# KiCad board SparkFun_GNSS_DAN-F10N_panelized.kicad_pcb (continued)
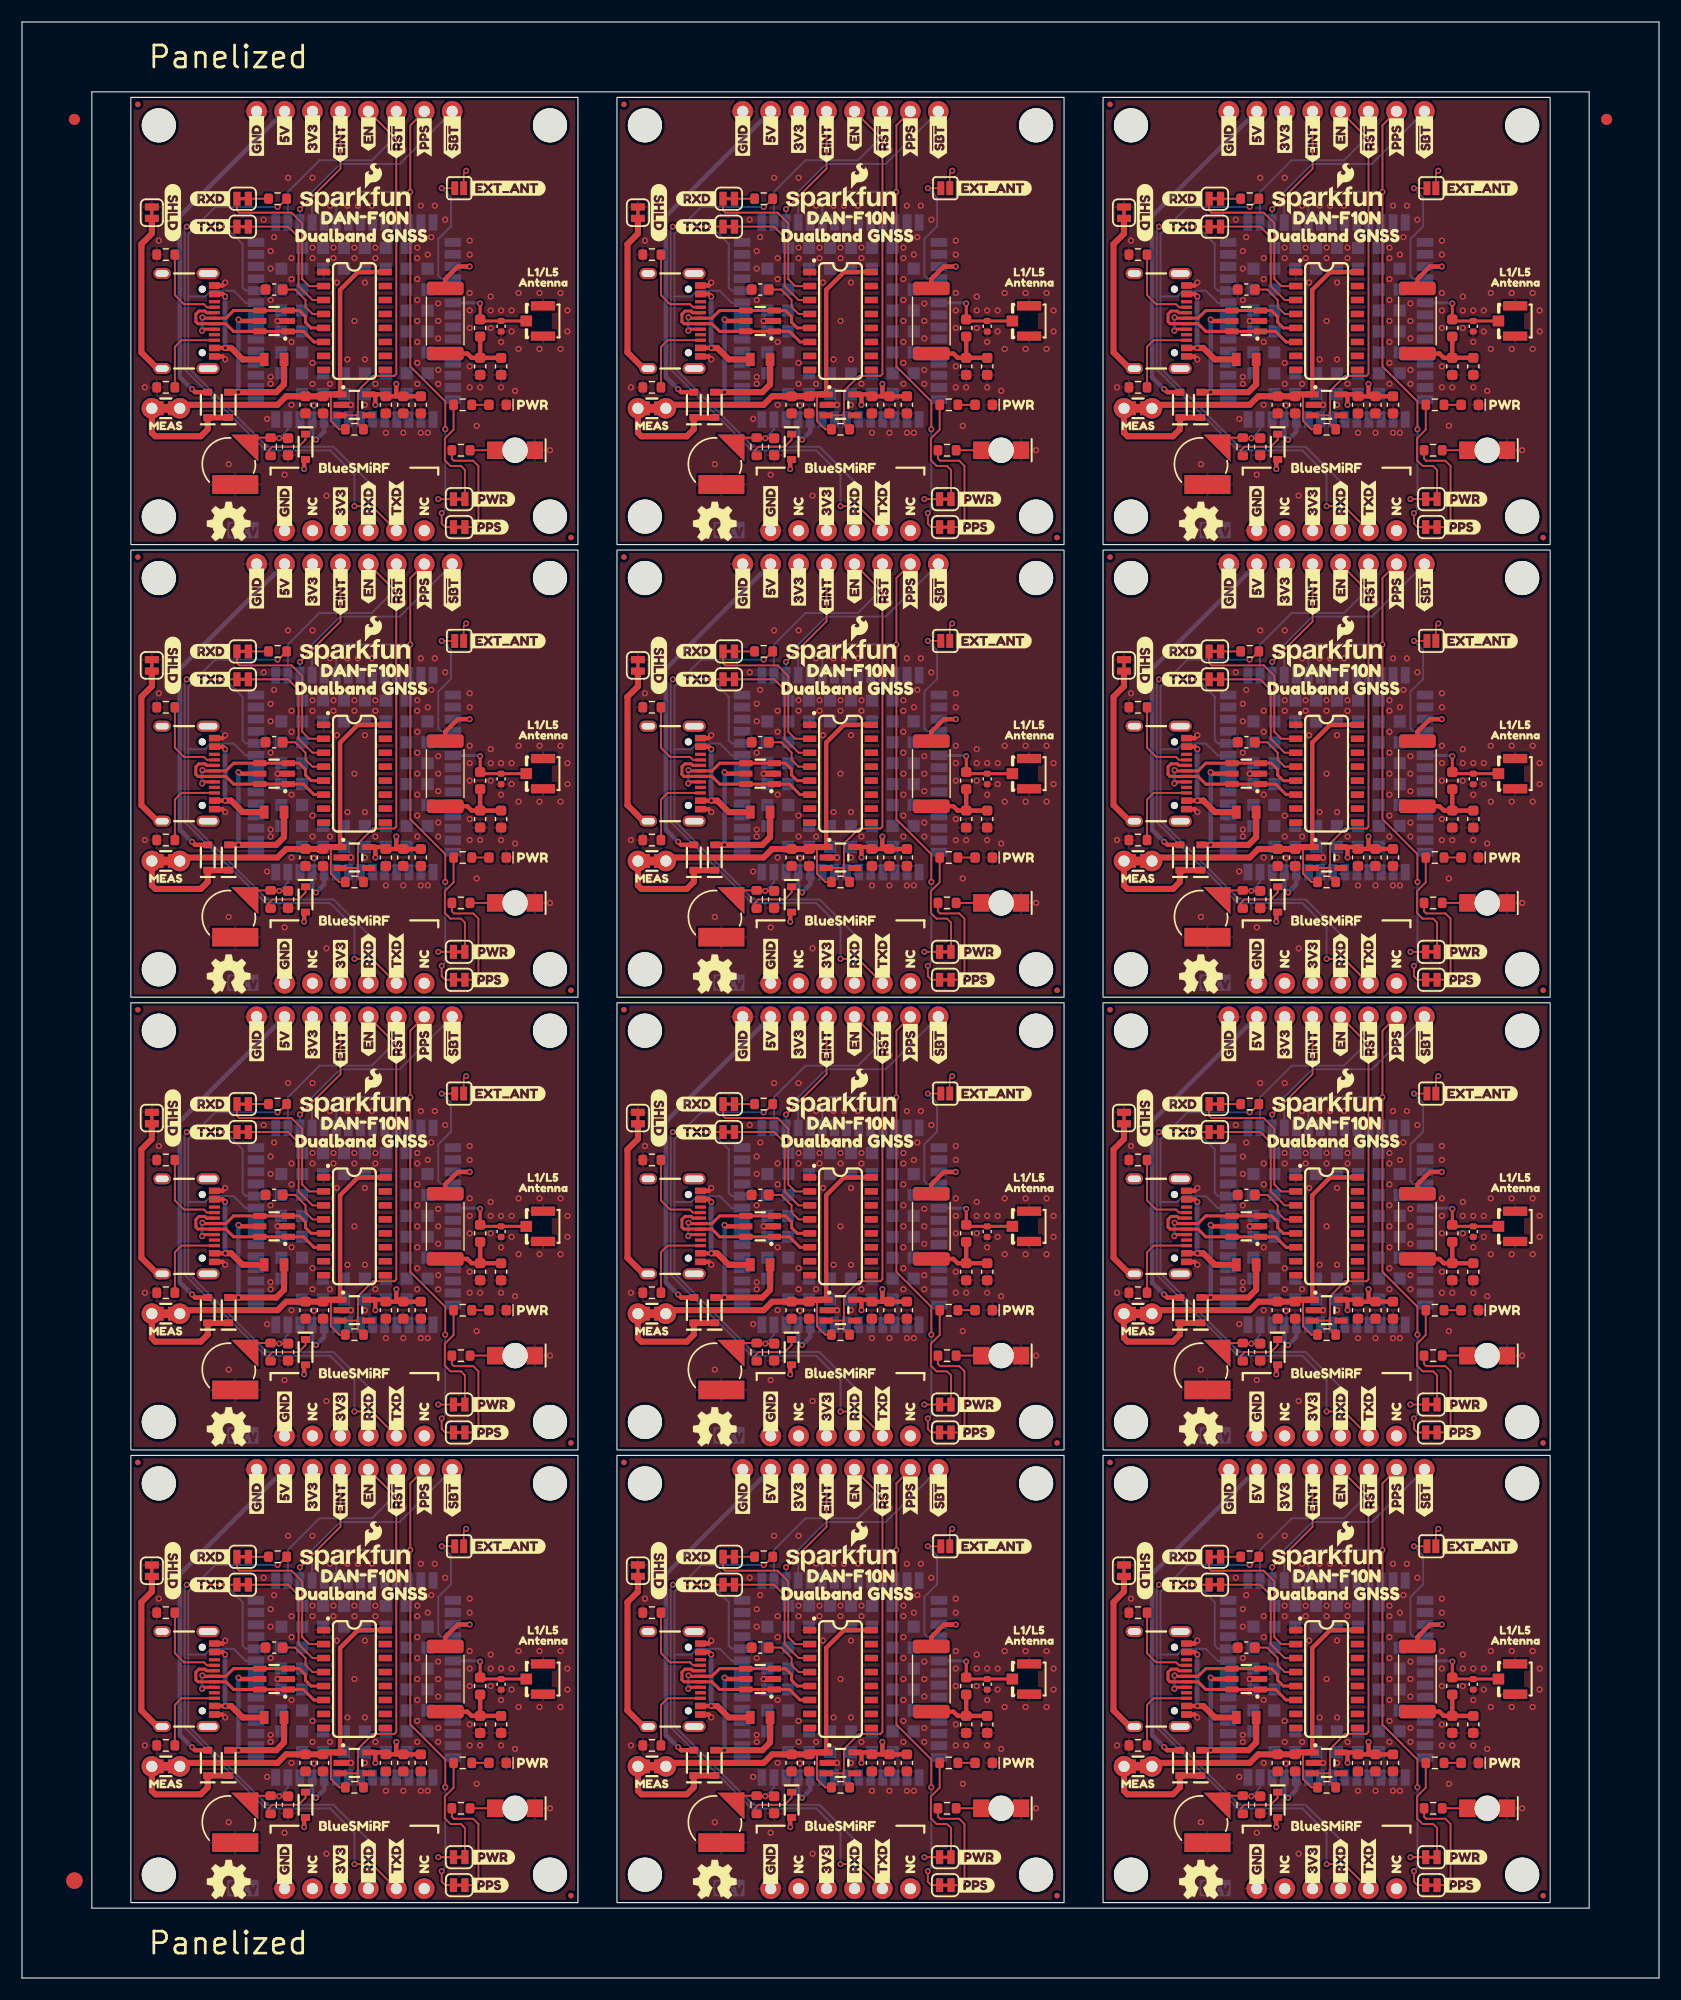
[diagram p0: board, top side]
## Routing (per net, layer and track width the routed paths; a pad name or vN(x,y) marks a point on that pad's centre or on a via; arc(x,y) is an arc through that point) (continued)
3V3_EN: length 412.4
  Top w0.178: R12.1 30.54,100.12 30.54,100.88 ; R12#9.1 118.91,141.25 118.91,142.02 ; 74.72,142.02 74.72,141.25 R12#3.1 ; 74.72,142.02 74.72,144.24 76.09,145.6 78.05,145.6 78.22,145.77 78.22,167.1 J5#7.4 ; 74.72,142.02 74.72,142.02 U3#5.3 ; U3#10.3 74.72,100.88 74.72,100.88 ; 117.29,18.6 118.91,18.6 118.91,18.6 ; 74.72,100.88 74.72,103.1 76.09,104.46 78.05,104.46 78.22,104.63 78.22,125.96 J5#6.4 ; 74.72,100.88 74.72,100.12 R12#7.1 ; U3#8.3 30.53,142.02 30.54,142.02 ; 30.54,142.02 30.54,141.25 R12#5.1 ; 30.54,142.02 30.54,144.24 31.9,145.6 33.86,145.6 34.03,145.77 34.03,167.1 J5.4 ; 30.54,59.74 30.54,61.96 31.9,63.32 33.86,63.32 34.03,63.49 34.03,84.82 J5#2.4 ; 30.54,59.74 30.54,58.98 R12#4.1 ; 30.54,59.74 30.53,59.74 U3#9.3 ; 118.91,18.6 118.91,17.84 R12#8.1 ; 118.91,18.6 118.91,20.82 120.28,22.18 122.24,22.18 122.4,22.35 122.4,43.68 J5#3.4 ; R12#2.1 74.72,58.98 74.72,59.74 ; J5#5.4 78.22,84.82 78.22,63.49 78.05,63.32 76.09,63.32 74.72,61.96 74.72,59.74 ; 30.54,18.6 30.54,20.82 31.9,22.18 33.86,22.18 34.03,22.35 34.03,43.68 J5#12.4 ; 30.54,18.6 30.54,17.84 R12#12.1 ; 30.54,18.6 30.53,18.6 28.92,18.6 ; 74.72,59.74 74.72,59.74 U3#2.3 ; R12#6.1 74.72,17.84 74.72,18.6 ; 118.91,142.02 118.91,144.24 120.28,145.6 122.24,145.6 122.4,145.77 122.4,167.1 J5#11.4 ; 118.91,142.02 118.91,142.02 U3#11.3 ; 118.91,100.88 118.91,100.88 U3#12.3 ; 118.91,100.88 118.91,103.1 120.28,104.46 122.24,104.46 122.4,104.63 122.4,125.96 J5#10.4 ; 118.91,100.88 118.91,100.12 R12#11.1 ; U3#3.3 118.91,59.74 118.91,59.74 ; 30.54,100.88 30.54,103.1 31.9,104.46 33.86,104.46 34.03,104.63 34.03,125.96 J5#4.4 ; 30.54,100.88 30.53,100.88 U3#7.3 ; 118.91,59.74 118.91,61.96 120.28,63.32 122.24,63.32 122.4,63.49 122.4,84.82 J5#9.4 ; 118.91,59.74 118.91,58.98 R12#10.1 ; 74.72,18.6 74.72,20.82 76.09,22.18 78.05,22.18 78.22,22.35 78.22,43.68 J5#8.4 ; 74.72,18.6 74.72,18.6 73.11,18.6
5V: length 374.3
  Top w0.406: v1(15.45,20.98) 15.73,20.7 D3.2 ; 16.88,102.98 15.73,102.98 v1(15.45,103.26) ; 61.07,144.12 59.92,144.12 v1(59.64,144.4) ; 105.26,102.98 104.11,102.98 v1(103.83,103.26) ; D3#7.2 15.73,61.84 v1(15.45,62.12) ; D3#9.2 59.92,61.84 v1(59.64,62.12) ; 105.26,144.12 104.11,144.12 v1(103.83,144.4) ; D3#12.2 104.11,61.84 v1(103.83,62.12) ; 61.07,102.98 59.92,102.98 v1(59.64,103.26) ; 16.88,144.12 15.73,144.12 v1(15.45,144.4) ; D3#2.2 104.11,20.7 v1(103.83,20.98) ; v1(59.64,20.98) 59.92,20.7 D3#4.2
  Bottom w0.406: v1(103.83,103.26) 102.72,104.37 102.72,118.98 J5#10.7 ; J5#11.7 102.72,160.12 102.72,145.51 v1(103.83,144.4) ; v1(15.45,20.98) 14.34,22.09 14.34,36.7 J5#12.7 ; J5#5.7 58.53,77.84 58.53,63.23 v1(59.64,62.12) ; v1(59.64,144.4) 58.53,145.51 58.53,160.12 J5#7.7 ; v1(15.45,144.4) 14.34,145.51 14.34,160.12 J5.7 ; v1(59.64,103.26) 58.53,104.37 58.53,118.98 J5#6.7 ; J5#2.7 14.34,77.84 14.34,63.23 v1(15.45,62.12) ; J5#4.7 14.34,118.98 14.34,104.37 v1(15.45,103.26) ; J5#8.7 58.53,36.7 58.53,22.09 v1(59.64,20.98) ; v1(103.83,62.12) 102.72,63.23 102.72,77.84 J5#9.7 ; v1(103.83,20.98) 102.72,22.09 102.72,36.7 J5#3.7
GND: length 49.7
  Top w0.406: J1#10.GND 106.58,65.09 v1(106.85,64.82) ; v1(62.66,23.68) 62.39,23.95 J1#8.GND ; J1.GND 18.2,65.09 v1(18.47,64.82) ; v1(18.47,105.96) 18.2,106.22 J1#6.GND ; v1(106.85,105.96) 106.58,106.22 J1#3.GND ; v1(18.47,112.94) 18.2,112.67 J1#6.GND ; J1#5.GND 62.39,147.37 v1(62.66,147.1) ; J1#9.GND 106.58,23.95 v1(106.85,23.68) ; v1(106.85,30.66) 106.58,30.39 J1#9.GND ; J1#3.GND 106.58,112.67 v1(106.85,112.94) ; J1#5.GND 62.39,153.81 v1(62.66,154.08) ; J1#4.GND 62.39,112.67 v1(62.66,112.94) ; v1(62.66,71.8) 62.39,71.53 J1#2.GND ; J1#11.GND 106.58,153.81 v1(106.85,154.08) ; J1#11.GND 106.58,147.37 v1(106.85,147.1) ; J1#12.GND 18.2,30.39 v1(18.47,30.66) ; v1(18.47,154.08) 18.2,153.81 J1#7.GND ; J1.GND 18.2,71.53 v1(18.47,71.8) ; v1(62.66,105.96) 62.39,106.22 J1#4.GND ; J1#10.GND 106.58,71.53 v1(106.85,71.8) ; v1(62.66,30.66) 62.39,30.39 J1#8.GND ; v1(18.47,23.68) 18.2,23.95 J1#12.GND ; J1#7.GND 18.2,147.37 v1(18.47,147.1) ; v1(62.66,64.82) 62.39,65.09 J1#2.GND
  Top w0.559: U1#6.2 v1(67.42,68.31) ; U1#2.2 v1(67.42,27.17) ; U1#12.2 v1(111.61,109.45) ; U3#2.2 v1(74.09,60.69) ; U1#8.2 v1(67.42,150.59) ; U1#10.2 v1(111.61,68.31) ; U3#6.2 v1(74.09,19.55) ; U3.2 v1(29.9,19.55) ; U3#3.2 v1(118.28,60.69) ; U1#11.2 v1(111.61,150.59) ; U1#3.2 v1(23.23,109.45) ; U1.2 v1(23.23,27.17) ; U3#9.2 v1(29.9,60.69) ; U1#4.2 v1(23.23,68.31) ; U1#7.2 v1(67.42,109.45) ; U3#8.2 v1(29.9,142.97) ; U1#5.2 v1(23.23,150.59) ; U3#12.2 v1(118.28,101.83) ; U1#9.2 v1(111.61,27.17) ; U3#5.2 v1(74.09,142.97) ; U3#10.2 v1(74.09,101.83) ; U3#11.2 v1(118.28,142.97) ; U3#7.2 v1(29.9,101.83) ; U3#4.2 v1(118.28,19.55)
  vias: v1(11.17,144.56) v1(11.17,103.42) v1(11.17,62.28) v1(11.17,21.14) v1(12.44,157.89) v1(12.44,116.75) v1(12.44,75.61) v1(12.44,34.47) v1(18.79,137.57) v1(18.79,96.43) v1(18.79,55.29) v1(18.79,14.15) v1(21.96,159.8) v1(21.96,118.66) v1(21.96,77.52) v1(21.96,36.38) v1(22.28,141.7) v1(22.28,100.56) v1(22.28,59.42) v1(22.28,18.28) v1(22.6,156.94) v1(22.6,155.35) v1(22.6,152.5) v1(22.6,145.51) v1(22.6,144.88) v1(22.6,115.8) v1(22.6,114.21) v1(22.6,111.36) v1(22.6,104.37) v1(22.6,103.73) v1(22.6,74.66) v1(22.6,73.07) v1(22.6,70.22) v1(22.6,63.23) v1(22.6,62.6) v1(22.6,33.52) v1(22.6,31.93) v1(22.6,29.08) v1(22.6,22.09) v1(22.6,21.45) v1(22.92,158.21) v1(22.92,117.07) v1(22.92,75.93) v1(22.92,34.79) v1(23.87,136.62) v1(23.87,95.48) v1(23.87,54.34) v1(23.87,13.2) v1(24.19,163.61) v1(24.19,122.47) v1(24.19,81.33) v1(24.19,40.19) v1(24.5,156.31) v1(24.5,154.4) v1(24.5,148.69) v1(24.5,142.97) v1(24.5,115.17) v1(24.5,113.26) v1(24.5,107.55) v1(24.5,101.83) v1(24.5,74.03) v1(24.5,72.12) v1(24.5,66.41) v1(24.5,60.69) v1(24.5,32.89) v1(24.5,30.98) v1(24.5,25.27) v1(24.5,19.55) v1(26.41,163.61) v1(26.41,157.26) v1(26.41,156.31) v1(26.41,146.78) v1(26.41,144.88) v1(26.41,122.47) v1(26.41,116.12) v1(26.41,115.17) v1(26.41,105.64) v1(26.41,103.73) v1(26.41,81.33) v1(26.41,74.98) v1(26.41,74.03) v1(26.41,64.5) v1(26.41,62.6) v1(26.41,40.19) v1(26.41,33.84) v1(26.41,32.89) v1(26.41,23.36) v1(26.41,21.45) v1(26.54,142.91) v1(26.54,101.77) v1(26.54,60.63) v1(26.54,19.49) v1(27.68,134.72) v1(27.68,93.58) v1(27.68,52.44) v1(27.68,11.3) v1(28,161.07) v1(28,144.88) v1(28,119.93) v1(28,103.73) v1(28,78.79) v1(28,62.6) v1(28,37.65) v1(28,21.45) v1(28.31,157.26) v1(28.31,156.31) v1(28.31,116.12) v1(28.31,115.17) v1(28.31,74.98) v1(28.31,74.03) v1(28.31,33.84) v1(28.31,32.89) v1(28.63,154.08) v1(28.63,112.94) v1(28.63,71.8) v1(28.63,30.66) v1(29.58,161.07) v1(29.58,147.1) v1(29.58,119.93) v1(29.58,105.96) v1(29.58,78.79) v1(29.58,64.82) v1(29.58,37.65) v1(29.58,23.68) v1(30.22,157.26) v1(30.22,156.31) v1(30.22,150.59) v1(30.22,116.12) v1(30.22,115.17) v1(30.22,109.45) v1(30.22,74.98) v1(30.22,74.03) v1(30.22,68.31) v1(30.22,33.84) v1(30.22,32.89) v1(30.22,27.17) v1(30.54,161.07) v1(30.54,119.93) v1(30.54,78.79) v1(30.54,37.65) v1(31.17,154.08) v1(31.17,147.1) v1(31.17,142.97) v1(31.17,112.94) v1(31.17,105.96) v1(31.17,101.83) v1(31.17,71.8) v1(31.17,64.82) v1(31.17,60.69) v1(31.17,30.66) v1(31.17,23.68) v1(31.17,19.55) v1(31.81,161.07) v1(31.81,119.93) v1(31.81,78.79) v1(31.81,37.65) v1(32.12,157.26) v1(32.12,156.31) v1(32.12,144.88) v1(32.12,116.12) v1(32.12,115.17) v1(32.12,103.73) v1(32.12,74.98) v1(32.12,74.03) v1(32.12,62.6) v1(32.12,33.84) v1(32.12,32.89) v1(32.12,21.45) v1(33.08,140.43) v1(33.08,99.29) v1(33.08,58.15) v1(33.08,17.01) v1(34.66,166.15) v1(34.66,140.43) v1(34.66,125.01) v1(34.66,99.29) v1(34.66,83.87) v1(34.66,58.15) v1(34.66,42.73) v1(34.66,17.01) v1(35.93,157.26) v1(35.93,156.31) v1(35.93,154.4) v1(35.93,152.5) v1(35.93,150.59) v1(35.93,148.69) v1(35.93,146.78) v1(35.93,144.88) v1(35.93,116.12) v1(35.93,115.17) v1(35.93,113.26) v1(35.93,111.36) v1(35.93,109.45) v1(35.93,107.55) v1(35.93,105.64) v1(35.93,103.73) v1(35.93,74.98) v1(35.93,74.03) v1(35.93,72.12) v1(35.93,70.22) v1(35.93,68.31) v1(35.93,66.41) v1(35.93,64.5) v1(35.93,62.6) v1(35.93,33.84) v1(35.93,32.89) v1(35.93,30.98) v1(35.93,29.08) v1(35.93,27.17) v1(35.93,25.27) v1(35.93,23.36) v1(35.93,21.45) v1(36.25,161.07) v1(36.25,140.43) v1(36.25,119.93) v1(36.25,99.29) v1(36.25,78.79) v1(36.25,58.15) v1(36.25,37.65) v1(36.25,17.01) v1(36.89,156.62) v1(36.89,140.43) v1(36.89,115.48) v1(36.89,99.29) v1(36.89,74.34) v1(36.89,58.15) v1(36.89,33.2) v1(36.89,17.01) v1(37.2,158.21) v1(37.2,117.07) v1(37.2,75.93) v1(37.2,34.79) v1(37.52,161.07) v1(37.52,119.93) v1(37.52,78.79) v1(37.52,37.65) v1(37.84,152.18) v1(37.84,150.59) v1(37.84,149) v1(37.84,146.15) v1(37.84,144.88) v1(37.84,111.04) v1(37.84,109.45) v1(37.84,107.86) v1(37.84,105) v1(37.84,103.73) v1(37.84,69.9) v1(37.84,68.31) v1(37.84,66.72) v1(37.84,63.87) v1(37.84,62.6) v1(37.84,28.76) v1(37.84,27.17) v1(37.84,25.58) v1(37.84,22.73) v1(37.84,21.45) v1(38.47,159.8) v1(38.47,118.66) v1(38.47,77.52) v1(38.47,36.38) v1(40.7,157.89) v1(40.7,156.62) v1(40.7,153.13) v1(40.7,151.54) v1(40.7,149.96) v1(40.7,146.46) v1(40.7,144.56) v1(40.7,116.75) v1(40.7,115.48) v1(40.7,111.99) v1(40.7,110.4) v1(40.7,108.81) v1(40.7,105.32) v1(40.7,103.42) v1(40.7,75.61) v1(40.7,74.34) v1(40.7,70.85) v1(40.7,69.26) v1(40.7,67.68) v1(40.7,64.18) v1(40.7,62.28) v1(40.7,34.47) v1(40.7,33.2) v1(40.7,29.71) v1(40.7,28.12) v1(40.7,26.53) v1(40.7,23.04) v1(40.7,21.14) v1(41.33,141.06) v1(41.33,99.93) v1(41.33,58.78) v1(41.33,17.64) v1(41.65,144.56) v1(41.65,103.42) v1(41.65,62.28) v1(41.65,21.14) v1(42.6,152.81) v1(42.6,151.54) v1(42.6,149.96) v1(42.6,111.67) v1(42.6,110.4) v1(42.6,108.81) v1(42.6,70.53) v1(42.6,69.26) v1(42.6,67.68) v1(42.6,29.39) v1(42.6,28.12) v1(42.6,26.53) v1(43.55,151.54) v1(43.55,148.69) v1(43.55,144.56) v1(43.55,110.4) v1(43.55,107.55) v1(43.55,103.42) v1(43.55,69.26) v1(43.55,66.41) v1(43.55,62.28) v1(43.55,28.12) v1(43.55,25.27) v1(43.55,21.14) v1(44.51,151.54) v1(44.51,149.64) v1(44.51,110.4) v1(44.51,108.5) v1(44.51,69.26) v1(44.51,67.36) v1(44.51,28.12) v1(44.51,26.22) v1(44.82,144.24) v1(44.82,103.1) v1(44.82,61.96) v1(44.82,20.82) v1(45.14,153.13) v1(45.14,148.05) v1(45.14,111.99) v1(45.14,106.91) v1(45.14,70.85) v1(45.14,65.77) v1(45.14,29.71) v1(45.14,24.63) v1(47.05,153.13) v1(47.05,148.05) v1(47.05,111.99) v1(47.05,106.91) v1(47.05,70.85) v1(47.05,65.77) v1(47.05,29.71) v1(47.05,24.63) v1(48,138.84) v1(48,97.7) v1(48,56.56) v1(48,15.42) v1(48.95,153.13) v1(48.95,148.05) v1(48.95,111.99) v1(48.95,106.91) v1(48.95,70.85) v1(48.95,65.77) v1(48.95,29.71) v1(48.95,24.63) v1(49.59,151.54) v1(49.59,149.64) v1(49.59,110.4) v1(49.59,108.5) v1(49.59,69.26) v1(49.59,67.36) v1(49.59,28.12) v1(49.59,26.22) v1(55.36,144.56) v1(55.36,103.42) v1(55.36,62.28) v1(55.36,21.14) v1(56.63,157.89) v1(56.63,116.75) v1(56.63,75.61) v1(56.63,34.47) v1(62.98,137.57) v1(62.98,96.43) v1(62.98,55.29) v1(62.98,14.15) v1(66.15,159.8) v1(66.15,118.66) v1(66.15,77.52) v1(66.15,36.38) v1(66.47,141.7) v1(66.47,100.56) v1(66.47,59.42) v1(66.47,18.28) v1(66.79,156.94) v1(66.79,155.35) v1(66.79,152.5) v1(66.79,145.51) v1(66.79,144.88) v1(66.79,115.8) v1(66.79,114.21) v1(66.79,111.36) v1(66.79,104.37) v1(66.79,103.73) v1(66.79,74.66) v1(66.79,73.07) v1(66.79,70.22) v1(66.79,63.23) v1(66.79,62.6) v1(66.79,33.52) v1(66.79,31.93) v1(66.79,29.08) v1(66.79,22.09) v1(66.79,21.45) v1(67.1,158.21) v1(67.1,117.07) v1(67.1,75.93) v1(67.1,34.79) v1(68.06,136.62) v1(68.06,95.48) v1(68.06,54.34) v1(68.06,13.2) v1(68.37,163.61) v1(68.37,122.47) v1(68.37,81.33) v1(68.37,40.19) v1(68.69,156.31) v1(68.69,154.4) v1(68.69,148.69) v1(68.69,142.97) v1(68.69,115.17) v1(68.69,113.26) v1(68.69,107.55) v1(68.69,101.83) v1(68.69,74.03) v1(68.69,72.12) v1(68.69,66.41) v1(68.69,60.69) v1(68.69,32.89) v1(68.69,30.98) v1(68.69,25.27) v1(68.69,19.55) v1(70.6,163.61) v1(70.6,157.26) v1(70.6,156.31) v1(70.6,146.78) v1(70.6,144.88) v1(70.6,122.47) v1(70.6,116.12) v1(70.6,115.17) v1(70.6,105.64) v1(70.6,103.73) v1(70.6,81.33) v1(70.6,74.98) v1(70.6,74.03) v1(70.6,64.5) v1(70.6,62.6) v1(70.6,40.19) v1(70.6,33.84) v1(70.6,32.89) v1(70.6,23.36) v1(70.6,21.45) v1(70.72,142.91) v1(70.72,101.77) v1(70.72,60.63) v1(70.72,19.49) v1(71.87,134.72) v1(71.87,93.58) v1(71.87,52.44) v1(71.87,11.3) v1(72.18,161.07) v1(72.18,144.88) v1(72.18,119.93) v1(72.18,103.73) v1(72.18,78.79) v1(72.18,62.6) v1(72.18,37.65) v1(72.18,21.45) v1(72.5,157.26) v1(72.5,156.31) v1(72.5,116.12) v1(72.5,115.17) v1(72.5,74.98) v1(72.5,74.03) v1(72.5,33.84) v1(72.5,32.89) v1(72.82,154.08) v1(72.82,112.94) v1(72.82,71.8) v1(72.82,30.66) v1(73.77,161.07) v1(73.77,147.1) v1(73.77,119.93) v1(73.77,105.96) v1(73.77,78.79) v1(73.77,64.82) v1(73.77,37.65) v1(73.77,23.68) v1(74.41,157.26) v1(74.41,156.31) v1(74.41,150.59) v1(74.41,116.12) v1(74.41,115.17) v1(74.41,109.45) v1(74.41,74.98) v1(74.41,74.03) v1(74.41,68.31) v1(74.41,33.84) v1(74.41,32.89) v1(74.41,27.17) v1(74.72,161.07) v1(74.72,119.93) v1(74.72,78.79) v1(74.72,37.65) v1(75.36,154.08) v1(75.36,147.1) v1(75.36,142.97) v1(75.36,112.94) v1(75.36,105.96) v1(75.36,101.83) v1(75.36,71.8) v1(75.36,64.82) v1(75.36,60.69) v1(75.36,30.66) v1(75.36,23.68) v1(75.36,19.55) v1(75.99,161.07) v1(75.99,119.93) v1(75.99,78.79) v1(75.99,37.65) v1(76.31,157.26) v1(76.31,156.31) v1(76.31,144.88) v1(76.31,116.12) v1(76.31,115.17) v1(76.31,103.73) v1(76.31,74.98) v1(76.31,74.03) v1(76.31,62.6) v1(76.31,33.84) v1(76.31,32.89) v1(76.31,21.45) v1(77.26,140.43) v1(77.26,99.29) v1(77.26,58.15) v1(77.26,17.01) v1(78.85,166.15) v1(78.85,140.43) v1(78.85,125.01) v1(78.85,99.29) v1(78.85,83.87) v1(78.85,58.15) v1(78.85,42.73) v1(78.85,17.01) v1(80.12,157.26) v1(80.12,156.31) v1(80.12,154.4) v1(80.12,152.5) v1(80.12,150.59) v1(80.12,148.69) v1(80.12,146.78) v1(80.12,144.88) v1(80.12,116.12) v1(80.12,115.17) v1(80.12,113.26) v1(80.12,111.36) v1(80.12,109.45) v1(80.12,107.55) v1(80.12,105.64) v1(80.12,103.73) v1(80.12,74.98) v1(80.12,74.03) v1(80.12,72.12) v1(80.12,70.22) v1(80.12,68.31) v1(80.12,66.41) v1(80.12,64.5) v1(80.12,62.6) v1(80.12,33.84) v1(80.12,32.89) v1(80.12,30.98) v1(80.12,29.08) v1(80.12,27.17) v1(80.12,25.27) v1(80.12,23.36) v1(80.12,21.45) v1(80.44,161.07) v1(80.44,140.43) v1(80.44,119.93) v1(80.44,99.29) v1(80.44,78.79) v1(80.44,58.15) v1(80.44,37.65) v1(80.44,17.01) v1(81.07,156.62) v1(81.07,140.43) v1(81.07,115.48) v1(81.07,99.29) v1(81.07,74.34) v1(81.07,58.15) v1(81.07,33.2) v1(81.07,17.01) v1(81.39,158.21) v1(81.39,117.07) v1(81.39,75.93) v1(81.39,34.79) v1(81.71,161.07) v1(81.71,119.93) v1(81.71,78.79) v1(81.71,37.65) v1(82.03,152.18) v1(82.03,150.59) v1(82.03,149) v1(82.03,146.15) v1(82.03,144.88) v1(82.03,111.04) v1(82.03,109.45) v1(82.03,107.86) v1(82.03,105) v1(82.03,103.73) v1(82.03,69.9) v1(82.03,68.31) v1(82.03,66.72) v1(82.03,63.87) v1(82.03,62.6) v1(82.03,28.76) v1(82.03,27.17) v1(82.03,25.58) v1(82.03,22.73) v1(82.03,21.45) v1(82.66,159.8) v1(82.66,118.66) v1(82.66,77.52) v1(82.66,36.38) v1(84.88,157.89) v1(84.88,156.62) v1(84.88,153.13) v1(84.88,151.54) v1(84.88,149.96) v1(84.88,146.46) v1(84.88,144.56) v1(84.88,116.75) v1(84.88,115.48) v1(84.88,111.99) v1(84.88,110.4) v1(84.88,108.81) v1(84.88,105.32) v1(84.88,103.42) v1(84.88,75.61) v1(84.88,74.34) v1(84.88,70.85) v1(84.88,69.26) v1(84.88,67.68) v1(84.88,64.18) v1(84.88,62.28) v1(84.88,34.47) v1(84.88,33.2) v1(84.88,29.71) v1(84.88,28.12) v1(84.88,26.53) v1(84.88,23.04) v1(84.88,21.14) v1(85.52,141.06) v1(85.52,99.93) v1(85.52,58.78) v1(85.52,17.64) v1(85.84,144.56) v1(85.84,103.42) v1(85.84,62.28) v1(85.84,21.14) v1(86.79,152.81) v1(86.79,151.54) v1(86.79,149.96) v1(86.79,111.67) v1(86.79,110.4) v1(86.79,108.81) v1(86.79,70.53) v1(86.79,69.26) v1(86.79,67.68) v1(86.79,29.39) v1(86.79,28.12) v1(86.79,26.53) v1(87.74,151.54) v1(87.74,148.69) v1(87.74,144.56) v1(87.74,110.4) v1(87.74,107.55) v1(87.74,103.42) v1(87.74,69.26) v1(87.74,66.41) v1(87.74,62.28) v1(87.74,28.12) v1(87.74,25.27) v1(87.74,21.14) v1(88.69,151.54) v1(88.69,149.64) v1(88.69,110.4) v1(88.69,108.5) v1(88.69,69.26) v1(88.69,67.36) v1(88.69,28.12) v1(88.69,26.22) v1(89.01,144.24) v1(89.01,103.1) v1(89.01,61.96) v1(89.01,20.82) v1(89.33,153.13) v1(89.33,148.05) v1(89.33,111.99) v1(89.33,106.91) v1(89.33,70.85) v1(89.33,65.77) v1(89.33,29.71) v1(89.33,24.63) v1(91.23,153.13) v1(91.23,148.05) v1(91.23,111.99) v1(91.23,106.91) v1(91.23,70.85) v1(91.23,65.77) v1(91.23,29.71) v1(91.23,24.63) v1(92.19,138.84) v1(92.19,97.7) v1(92.19,56.56) v1(92.19,15.42) v1(93.14,153.13) v1(93.14,148.05) v1(93.14,111.99) v1(93.14,106.91) v1(93.14,70.85) v1(93.14,65.77) v1(93.14,29.71) v1(93.14,24.63) v1(93.77,151.54) v1(93.77,149.64) v1(93.77,110.4) v1(93.77,108.5) v1(93.77,69.26) v1(93.77,67.36) v1(93.77,28.12) v1(93.77,26.22) v1(99.54,144.56) v1(99.54,103.42) v1(99.54,62.28) v1(99.54,21.14) v1(100.81,157.89) v1(100.81,116.75) v1(100.81,75.61) v1(100.81,34.47) v1(107.16,137.57) v1(107.16,96.43) v1(107.16,55.29) v1(107.16,14.15) v1(110.34,159.8) v1(110.34,118.66) v1(110.34,77.52) v1(110.34,36.38) v1(110.66,141.7) v1(110.66,100.56) v1(110.66,59.42) v1(110.66,18.28) v1(110.97,156.94) v1(110.97,155.35) v1(110.97,152.5) v1(110.97,145.51) v1(110.97,144.88) v1(110.97,115.8) v1(110.97,114.21) v1(110.97,111.36) v1(110.97,104.37) v1(110.97,103.73) v1(110.97,74.66) v1(110.97,73.07) v1(110.97,70.22) v1(110.97,63.23) v1(110.97,62.6) v1(110.97,33.52) v1(110.97,31.93) v1(110.97,29.08) v1(110.97,22.09) v1(110.97,21.45) v1(111.29,158.21) v1(111.29,117.07) v1(111.29,75.93) v1(111.29,34.79) v1(112.24,136.62) v1(112.24,95.48) v1(112.24,54.34) v1(112.24,13.2) v1(112.56,163.61) v1(112.56,122.47) v1(112.56,81.33) v1(112.56,40.19) v1(112.88,156.31) v1(112.88,154.4) v1(112.88,148.69) v1(112.88,142.97) v1(112.88,115.17) v1(112.88,113.26) v1(112.88,107.55) v1(112.88,101.83) v1(112.88,74.03) v1(112.88,72.12) v1(112.88,66.41) v1(112.88,60.69) v1(112.88,32.89) v1(112.88,30.98) v1(112.88,25.27) v1(112.88,19.55) v1(114.78,163.61) v1(114.78,157.26) v1(114.78,156.31) v1(114.78,146.78) v1(114.78,144.88) v1(114.78,122.47) v1(114.78,116.12) v1(114.78,115.17) v1(114.78,105.64) v1(114.78,103.73) v1(114.78,81.33) v1(114.78,74.98) v1(114.78,74.03) v1(114.78,64.5) v1(114.78,62.6) v1(114.78,40.19) v1(114.78,33.84) v1(114.78,32.89) v1(114.78,23.36) v1(114.78,21.45) v1(114.91,142.91) v1(114.91,101.77) v1(114.91,60.63) v1(114.91,19.49) v1(116.05,134.72) v1(116.05,93.58) v1(116.05,52.44) v1(116.05,11.3) v1(116.37,161.07) v1(116.37,144.88) v1(116.37,119.93) v1(116.37,103.73) v1(116.37,78.79) v1(116.37,62.6) v1(116.37,37.65) v1(116.37,21.45) v1(116.69,157.26) v1(116.69,156.31) v1(116.69,116.12) v1(116.69,115.17) v1(116.69,74.98) v1(116.69,74.03) v1(116.69,33.84) v1(116.69,32.89) v1(117.01,154.08) v1(117.01,112.94) v1(117.01,71.8) v1(117.01,30.66) v1(117.96,161.07) v1(117.96,147.1) v1(117.96,119.93) v1(117.96,105.96) v1(117.96,78.79) v1(117.96,64.82) v1(117.96,37.65) v1(117.96,23.68) v1(118.59,157.26) v1(118.59,156.31) v1(118.59,150.59) v1(118.59,116.12) v1(118.59,115.17) v1(118.59,109.45) v1(118.59,74.98) v1(118.59,74.03) v1(118.59,68.31) v1(118.59,33.84) v1(118.59,32.89) v1(118.59,27.17) v1(118.91,161.07) v1(118.91,119.93) v1(118.91,78.79) v1(118.91,37.65) v1(119.55,154.08) v1(119.55,147.1) v1(119.55,142.97) v1(119.55,112.94) v1(119.55,105.96) v1(119.55,101.83) v1(119.55,71.8) v1(119.55,64.82) v1(119.55,60.69) v1(119.55,30.66) v1(119.55,23.68) v1(119.55,19.55) v1(120.18,161.07) v1(120.18,119.93) v1(120.18,78.79) v1(120.18,37.65) v1(120.5,157.26) v1(120.5,156.31) v1(120.5,144.88) v1(120.5,116.12) v1(120.5,115.17) v1(120.5,103.73) v1(120.5,74.98) v1(120.5,74.03) v1(120.5,62.6) v1(120.5,33.84) v1(120.5,32.89) v1(120.5,21.45) v1(121.45,140.43) v1(121.45,99.29) v1(121.45,58.15) v1(121.45,17.01) v1(123.04,166.15) v1(123.04,140.43) v1(123.04,125.01) v1(123.04,99.29) v1(123.04,83.87) v1(123.04,58.15) v1(123.04,42.73) v1(123.04,17.01) v1(124.31,157.26) v1(124.31,156.31) v1(124.31,154.4) v1(124.31,152.5) v1(124.31,150.59) v1(124.31,148.69) v1(124.31,146.78) v1(124.31,144.88) v1(124.31,116.12) v1(124.31,115.17) v1(124.31,113.26) v1(124.31,111.36) v1(124.31,109.45) v1(124.31,107.55) v1(124.31,105.64) v1(124.31,103.73) v1(124.31,74.98) v1(124.31,74.03) v1(124.31,72.12) v1(124.31,70.22) v1(124.31,68.31) v1(124.31,66.41) v1(124.31,64.5) v1(124.31,62.6) v1(124.31,33.84) v1(124.31,32.89) v1(124.31,30.98) v1(124.31,29.08) v1(124.31,27.17) v1(124.31,25.27) v1(124.31,23.36) v1(124.31,21.45) v1(124.63,161.07) v1(124.63,140.43) v1(124.63,119.93) v1(124.63,99.29) v1(124.63,78.79) v1(124.63,58.15) v1(124.63,37.65) v1(124.63,17.01) v1(125.26,156.62) v1(125.26,140.43) v1(125.26,115.48) v1(125.26,99.29) v1(125.26,74.34) v1(125.26,58.15) v1(125.26,33.2) v1(125.26,17.01) v1(125.58,158.21) v1(125.58,117.07) v1(125.58,75.93) v1(125.58,34.79) v1(125.9,161.07) v1(125.9,119.93) v1(125.9,78.79) v1(125.9,37.65) v1(126.21,152.18) v1(126.21,150.59) v1(126.21,149) v1(126.21,146.15) v1(126.21,144.88) v1(126.21,111.04) v1(126.21,109.45) v1(126.21,107.86) v1(126.21,105) v1(126.21,103.73) v1(126.21,69.9) v1(126.21,68.31) v1(126.21,66.72) v1(126.21,63.87) v1(126.21,62.6) v1(126.21,28.76) v1(126.21,27.17) v1(126.21,25.58) v1(126.21,22.73) v1(126.21,21.45) v1(126.85,159.8) v1(126.85,118.66) v1(126.85,77.52) v1(126.85,36.38) v1(129.07,157.89) v1(129.07,156.62) v1(129.07,153.13) v1(129.07,151.54) v1(129.07,149.96) v1(129.07,146.46) v1(129.07,144.56) v1(129.07,116.75) v1(129.07,115.48) v1(129.07,111.99) v1(129.07,110.4) v1(129.07,108.81) v1(129.07,105.32) v1(129.07,103.42) v1(129.07,75.61) v1(129.07,74.34) v1(129.07,70.85) v1(129.07,69.26) v1(129.07,67.68) v1(129.07,64.18) v1(129.07,62.28) v1(129.07,34.47) v1(129.07,33.2) v1(129.07,29.71) v1(129.07,28.12) v1(129.07,26.53) v1(129.07,23.04) v1(129.07,21.14) v1(129.71,141.06) v1(129.71,99.93) v1(129.71,58.78) v1(129.71,17.64) v1(130.02,144.56) v1(130.02,103.42) v1(130.02,62.28) v1(130.02,21.14) v1(130.98,152.81) v1(130.98,151.54) v1(130.98,149.96) v1(130.98,111.67) v1(130.98,110.4) v1(130.98,108.81) v1(130.98,70.53) v1(130.98,69.26) v1(130.98,67.68) v1(130.98,29.39) v1(130.98,28.12) v1(130.98,26.53) v1(131.93,151.54) v1(131.93,148.69) v1(131.93,144.56) v1(131.93,110.4) v1(131.93,107.55) v1(131.93,103.42) v1(131.93,69.26) v1(131.93,66.41) v1(131.93,62.28) v1(131.93,28.12) v1(131.93,25.27) v1(131.93,21.14) v1(132.88,151.54) v1(132.88,149.64) v1(132.88,110.4) v1(132.88,108.5) v1(132.88,69.26) v1(132.88,67.36) v1(132.88,28.12) v1(132.88,26.22) v1(133.2,144.24) v1(133.2,103.1) v1(133.2,61.96) v1(133.2,20.82) v1(133.52,153.13) v1(133.52,148.05) v1(133.52,111.99) v1(133.52,106.91) v1(133.52,70.85) v1(133.52,65.77) v1(133.52,29.71) v1(133.52,24.63) v1(135.42,153.13) v1(135.42,148.05) v1(135.42,111.99) v1(135.42,106.91) v1(135.42,70.85) v1(135.42,65.77) v1(135.42,29.71) v1(135.42,24.63) v1(136.37,138.84) v1(136.37,97.7) v1(136.37,56.56) v1(136.37,15.42) v1(137.33,153.13) v1(137.33,148.05) v1(137.33,111.99) v1(137.33,106.91) v1(137.33,70.85) v1(137.33,65.77) v1(137.33,29.71) v1(137.33,24.63) v1(137.96,151.54) v1(137.96,149.64) v1(137.96,110.4) v1(137.96,108.5) v1(137.96,69.26) v1(137.96,67.36) v1(137.96,28.12) v1(137.96,26.22)
VBUS: length 194.2
  Top w0.406: U1#2.5 63.99,27.17 v1(63.87,27.3) ; v1(63.87,109.58) 63.99,109.45 U1#7.5 ; U1#6.5 63.99,68.31 v1(63.87,68.44) ; U1#12.5 108.18,109.45 v1(108.05,109.58) ; v1(19.68,150.72) 19.8,150.59 U1#5.5 ; v1(108.05,27.3) 108.18,27.17 U1#9.5 ; v1(19.68,27.3) 19.8,27.17 U1.5 ; U1#10.5 108.18,68.31 v1(108.05,68.44) ; U1#8.5 63.99,150.59 v1(63.87,150.72) ; v1(19.68,68.44) 19.8,68.31 U1#4.5 ; v1(19.68,109.58) 19.8,109.45 U1#3.5 ; U1#11.5 108.18,150.59 v1(108.05,150.72)
  Top w0.559: D2#7.2 v1(63.87,61.84) 67.3,61.84 68,62.54 F1#4.1 ; 107.16,102.98 v1(108.05,102.98) 111.49,102.98 112.19,103.68 F1#10.1 ; 62.98,102.98 v1(63.87,102.98) 67.3,102.98 68,103.68 F1#2.1 ; D2#5.2 v1(19.68,61.84) 23.11,61.84 23.82,62.54 F1#6.1 ; F1#12.1 112.19,21.4 111.49,20.7 v1(108.05,20.7) D2#11.2 ; D2#6.2 v1(63.87,20.7) 67.3,20.7 68,21.4 F1#7.1 ; 107.16,144.12 v1(108.05,144.12) 111.49,144.12 112.19,144.82 F1#11.1 ; D2.2 v1(19.68,20.7) 23.11,20.7 23.82,21.4 F1.1 ; F1#8.1 68,144.82 67.3,144.12 v1(63.87,144.12) 62.98,144.12 ; D2#8.2 v1(108.05,61.84) 111.49,61.84 112.19,62.54 F1#9.1 ; F1#3.1 23.82,144.82 23.11,144.12 v1(19.68,144.12) 18.79,144.12 ; F1#5.1 23.82,103.68 23.11,102.98 v1(19.68,102.98) 18.79,102.98
  Bottom w0.406: v1(63.87,109.58) v1(63.87,102.98) ; v1(63.87,27.3) v1(63.87,20.7) ; v1(19.68,109.58) v1(19.68,102.98) ; v1(108.05,150.72) v1(108.05,144.12) ; v1(108.05,109.58) v1(108.05,102.98) ; v1(63.87,150.72) v1(63.87,144.12) ; v1(19.68,68.44) v1(19.68,61.84) ; v1(108.05,27.3) v1(108.05,20.7) ; v1(19.68,27.3) v1(19.68,20.7) ; v1(63.87,68.44) v1(63.87,61.84) ; v1(108.05,68.44) v1(108.05,61.84) ; v1(19.68,150.72) v1(19.68,144.12)
VCC_RF: length 60.8
  Top w0.406: R6#6.1 38.47,154.4 39.61,155.54 v1(40.7,155.54) ; R6#8.1 38.47,113.26 39.61,114.4 v1(40.7,114.4) ; v1(84.88,155.54) 83.8,155.54 82.66,154.4 R6#3.1 ; R6#4.1 126.85,72.12 127.99,73.26 v1(129.07,73.26) ; R6#2.1 38.47,30.98 39.61,32.12 v1(40.7,32.12) ; R6#5.1 82.66,113.26 83.8,114.4 v1(84.88,114.4) ; v1(84.88,73.26) 83.8,73.26 82.66,72.12 R6#10.1 ; v1(129.07,114.4) 127.99,114.4 126.85,113.26 R6#11.1 ; v1(40.7,73.26) 39.61,73.26 38.47,72.12 R6#7.1 ; v1(129.07,155.54) 127.99,155.54 126.85,154.4 R6#12.1 ; R6.1 126.85,30.98 127.99,32.12 v1(129.07,32.12) ; v1(84.88,32.12) 83.8,32.12 82.66,30.98 R6#9.1